# KiCad board raven.kicad_pcb (continued)
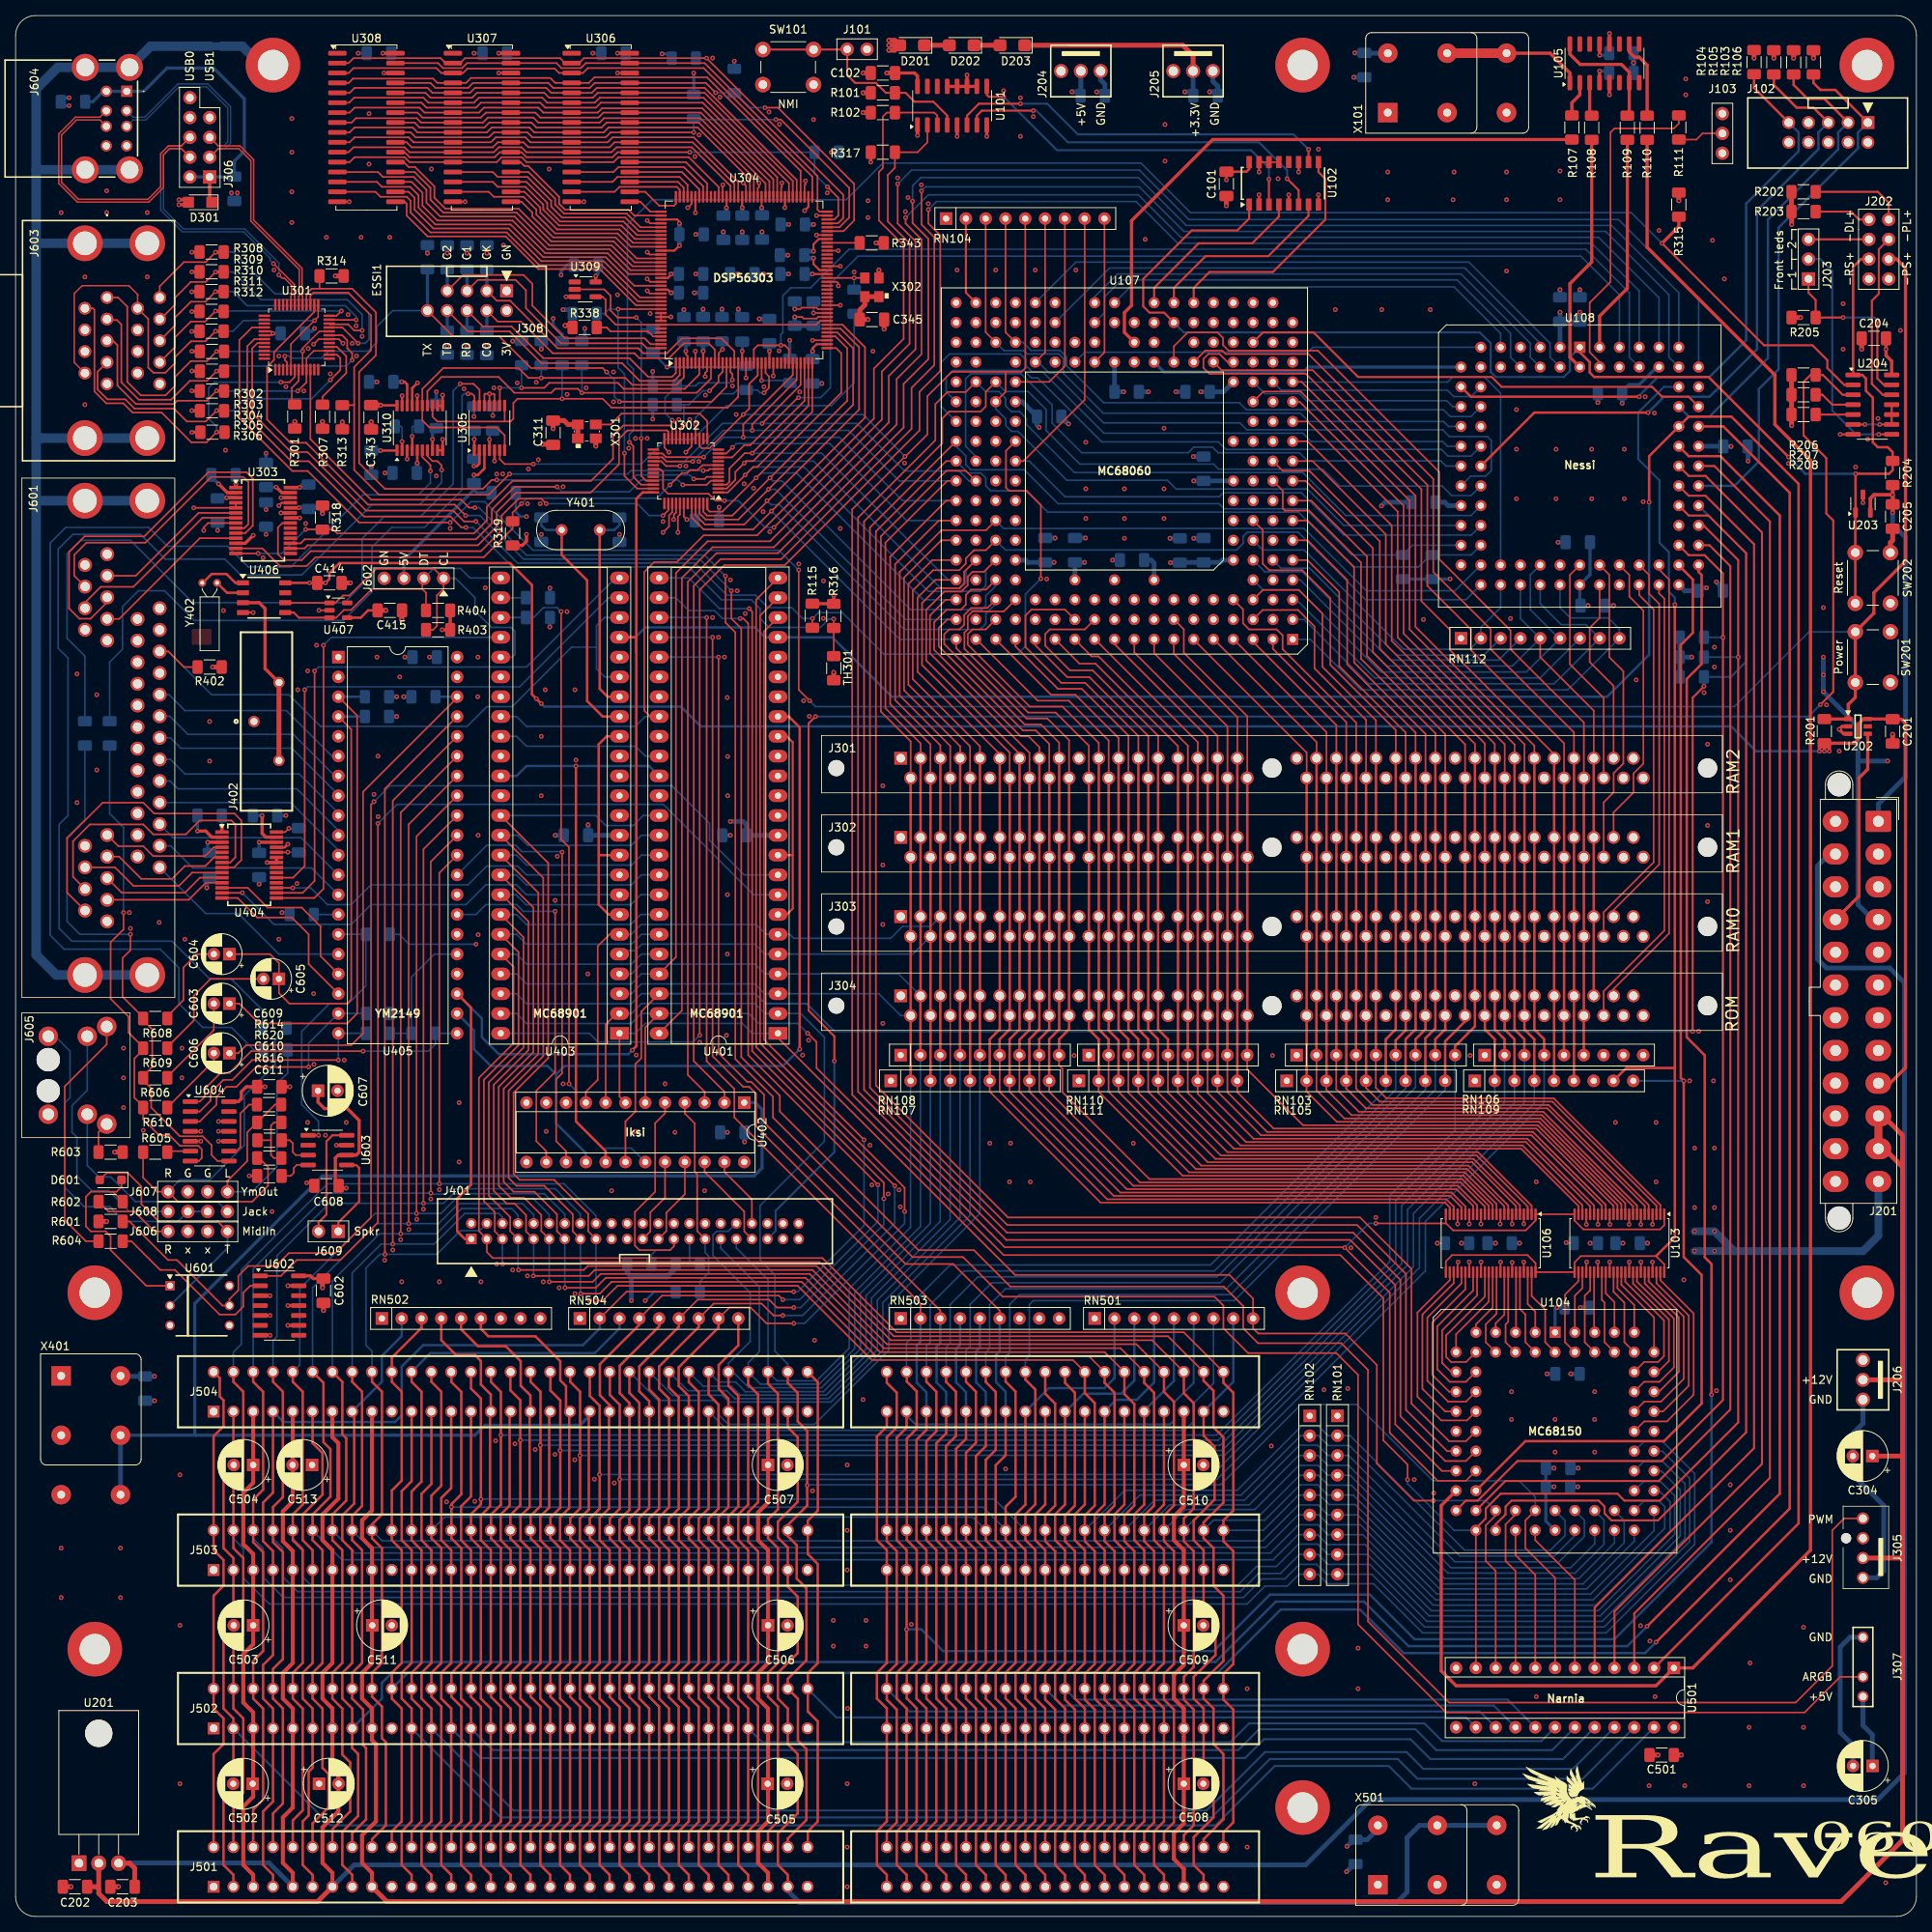
[diagram p0: board, top side]
## Routing (per net, layer and track width the routed paths; a pad name or vN(x,y) marks a point on that pad's centre or on a via; arc(x,y) is an arc through that point) (continued)
PD31: length 396.2
  Top w0.203: v1(54.36,93.98) 54.36,133.86 U405.30
  Top w0.305: J504.33 27.94,68.58 29.21,67.31 29.21,56.45 27.94,55.18 27.94,47.24 29.21,45.97 29.21,36.07 27.94,34.8 J502.33 27.94,26.67 29.21,25.4 29.21,15.86 27.94,14.59 J501.33
  Bottom w0.203: J401.18 74.45,89.89 70.36,93.98 v1(54.36,93.98) 40.01,93.98 28.96,82.93 28.96,73.41 27.94,72.39 J504.33 ; J503.33 27.94,48.49 29.21,47.22 29.21,43.41 32.54,40.08 157.99,40.08 160.27,42.37 163.12,42.37 164.64,43.89 RN102.9 167.08,43.89 168.3,42.67 174.19,42.67 180.49,36.37 204.04,36.37 215.39,47.73 215.39,56.81 211.26,60.93 208.91,60.93 207.64,59.66
PWR_LED: length 213.3
  Top w0.203: v1(78.74,189.1) 79.25,188.6 79.25,184.66 80.24,183.67 U302.34
  Top w0.254: v1(211.2,214.63) 224.28,201.55 230.5,201.55 232.41,199.64 232.41,198.63 234.57,196.47 235.72,196.47
  Top w0.406: v1(211.2,214.63) 213.36,216.79 R315.2
  Bottom w0.203: v1(211.2,214.63) 207.26,218.57 150.72,218.57 144.37,224.92 111.25,224.92 106.55,220.22 81.66,220.22 78.49,217.04 78.49,199.26 79.25,198.5 79.25,190.63 78.74,190.12 v1(78.74,189.1)
PWR_SW: length 318.3
  Top w0.203: U301.40 30.32,203.83 28.7,202.22 28.7,192.21 35.5,185.42 37.46,185.42 44.07,178.82 v1(55.75,178.82) ; v1(100.46,172.72) 100.46,157.35 v1(101.85,155.96)
  Top w0.406: R201.1 235.09,153.6 ; U202.1 235.1,155.47 236,156.37 SW201.2 SW201.2 238.38,167.17 238.38,169.8 242.44,173.86 242.44,211.46 241.3,212.6 J202.6
  Bottom w0.203: SW201.2 230.07,164.79 220.47,155.19 102.62,155.19 v1(101.85,155.96) ; v1(55.75,178.82) 58.42,181.48 60.16,181.48 66.38,175.26 97.92,175.26 v1(100.46,172.72)
R~{W}: length 397
  Top w0.203: 127,198.15 120.09,198.15 116.97,195.02 116.97,190.12 114.13,187.28 v1(114.09,187.28) 107.31,180.5 107.31,105.41 126.87,85.85 170.43,85.85 v1(170.5,85.79) 176.28,80.01 176.28,62.04 182.44,55.88 186.05,55.88 U104.23 ; 127,198.15 129.06,198.15 129.54,198.63 129.53,198.64 RN104.5 ; 127,198.15 127,195.58 U107.N16 ; v1(174.5,88.9) 183.44,88.9 183.48,88.94 ; 183.48,88.94 184.4,88.01 193.73,88.01 194.98,89.26 U106.1 U103.24 199.99,89.26 201.11,88.14 210.95,88.14 211.49,88.68 U103.1 ; 183.48,88.94 U106.24 ; U302.15 87.73,188.62 88.01,188.34 89.03,188.34 v1(93.34,192.66) 94.11,193.42 94.11,196.6 95.2,197.69 U304.22
  Bottom w0.203: v1(93.34,192.66) 108.71,192.66 v1(114.09,187.28) ; U107.N16 125.73,193.4 127.03,192.1 127.03,191.24 127.76,190.5 128.59,190.5 134.86,184.23 147.75,184.23 148.87,183.11 165.71,183.11 170.38,178.44 U108.28 ; v1(174.5,88.9) 173.61,88.9 v1(170.5,85.79)
SIZ0: length 279.4
  Top w0.203: U104.22 182.97,57.15 176.99,63.13 176.99,80.99 171.2,86.78 127.09,86.78 108.08,105.79 108.08,179.45 117.98,189.36 117.98,193.99 119.55,195.55 121.89,195.55 U107.P17
  Bottom w0.203: U107.P17 124.43,195.61 126.14,195.61 127,194.74 127,193.78 127.74,193.04 128.78,193.04 129.67,192.15 129.67,191.39 135.84,185.22 165.13,185.22 170.64,179.71 186.69,179.71 U108.27
SIZ1: length 279.5
  Top w0.203: U107.P16 124.46,195.58 124.46,193.7 123.8,193.04 119.76,193.04 118.87,192.15 118.87,188.98 108.84,178.94 108.84,106.05 127.17,87.72 171.58,87.72 177.65,81.65 177.65,64.16 183.39,58.42 186.05,58.42 U104.21
  Bottom w0.203: U108.25 186.72,182.27 184.23,182.27 183.01,183.49 169.85,183.49 167.69,185.65 154.33,185.65 153.67,186.31 136.53,186.31 132.21,190.63 132.21,193.29 129.9,195.61 126.97,195.61 U107.P16
TEMP1: length 104.1
  Top w0.203: U301.43 30.63,202.33 29.72,201.42 29.72,192.3 35.35,186.67 37.61,186.67 44.7,179.58 55.79,179.58 57.19,178.18 v1(57.79,178.18) ; v1(104.95,166.45) R316.1 TH301.1
  Bottom w0.203: v1(104.95,166.45) 104.34,166.45 103.25,165.35 96.65,165.35 95.5,166.5 95.5,167.77 94.36,168.91 90.55,168.91 86.36,173.1 63.75,173.1 58.67,178.18 v1(57.79,178.18)
TEMP2: length 155.2
  Top w0.203: v1(102.23,166.5) 102.23,166.29 102.21,166.27 R115.2 ; U301.44 31.03,201.83 30.35,201.16 30.35,192.84 35.34,187.85 37.45,187.85 44.96,180.34 56.13,180.34 57.52,178.95 v1(59.05,178.95) ; v1(131.52,171.6) 131.52,181.05 129.69,182.88 127.46,182.88 127.05,183.29 127.05,188.01 U107.L15
  Bottom w0.203: v1(59.05,178.95) 64.4,173.61 87.12,173.61 91.23,169.5 94.92,169.5 96.52,167.89 99.57,167.89 100.97,166.5 v1(102.23,166.5) 103,167.26 106.04,167.26 111.38,161.93 128.52,161.93 129.54,162.94 129.54,169.62 v1(131.52,171.6)
TM0: length 77.7
  Bottom w0.203: U107.N18 119.38,195.58 119.38,197.46 120.24,198.32 129.34,198.32 130.3,197.36 131.13,197.36 139.33,189.15 154.3,189.15 155.27,188.19 182.91,188.19 183.77,187.33 186.69,187.33 U108.21
TM1: length 80.8
  Bottom w0.203: U107.M18 118.75,193.68 118.75,199.36 119.81,200.43 128.88,200.43 129.57,199.75 129.57,198.98 130.4,198.15 131.74,198.15 139.61,190.27 165.13,190.27 166.19,189.2 183.06,189.2 183.67,188.6 U108.20
TM2: length 81.2
  Bottom w0.203: U108.22 183.49,186.06 182.83,186.72 165.73,186.72 164.69,187.76 154.25,187.76 153.54,188.47 151.13,188.47 150.42,187.76 136.77,187.76 132.97,191.56 132.97,193.9 128.98,197.89 122.53,197.89 121.87,197.23 121.87,188.6 123.19,187.27
TT0: length 28
  Bottom w0.203: U108.16 184.35,193.68 183.59,194.44 165.61,194.44 164.69,195.35 160.25,195.35 U107.P03
TT1: length 28
  Bottom w0.203: U107.P02 162.36,195.78 183.67,195.78 184.48,194.97 186.72,194.97 U108.15
USB0:D+: length 71.8
  Top w0.178: U301.31 35.82,207.85 35.75,207.93 35.75,209.36 v1(33.08,212.03) ; J604.B3 10.82,230.45 7.82,230.45 5.89,228.53 5.89,222.45 8.07,220.27 16.98,220.27 18.62,221.91 18.62,226.13 19.61,227.13 21.26,227.13 J306.6
  Bottom w0.178: J306.6 21.26,227.13 19.61,227.13 18.62,226.13 18.62,218.87 21.39,216.1 29.26,216.1 32.64,212.73 32.64,212.47 v1(33.08,212.03)
USB0:D-: length 72.3
  Top w0.178: v1(33.78,210.56) 34.18,210.16 34.48,210.16 35.39,209.25 35.39,207.93 35.32,207.85 U301.32 ; J306.4 21.26,226.77 19.76,226.77 18.97,225.98 18.97,221.8 17.09,219.91 7.93,219.91 5.54,222.3 5.54,228.67 7.67,230.81 10.82,230.81 J604.B2
  Bottom w0.178: v1(33.78,210.56) 33.78,212.1 29.42,216.46 21.54,216.46 18.97,219.02 18.97,225.99 19.76,226.77 21.26,226.77 J306.4
USB1:D+: length 51.6
  Top w0.178: J306.5 25.99,227.13 28.78,227.13 30.53,225.37 30.53,217.62 36.75,211.41 36.75,207.93 36.82,207.85 U301.29
  Bottom w0.178: J604.A3 15.08,230.45 16.71,230.45 20.95,234.7 24.51,234.7 27.23,231.98 27.23,227.63 26.72,227.13 25.99,227.13 J306.5
USB1:D-: length 52.2
  Top w0.178: U301.30 36.32,207.85 36.39,207.93 36.39,211.26 30.18,217.48 30.18,225.22 28.63,226.77 25.99,226.77 J306.3
  Bottom w0.178: J604.A2 15.08,230.81 16.56,230.81 20.83,235.08 24.64,235.08 27.58,232.13 27.58,227.48 26.87,226.77 25.99,226.77 J306.3
VUSB: length 42.6
  Top w0.406: J306.1 24.9,220.17
  Bottom w0.406: C302.1 28.07,225.17 29.34,226.44 29.34,233.17 25.4,237.11 19.43,237.11 16.45,234.13 J604.A1 J604.B1 ; 11.25,234.13 9.91,232.79 C601.1 ; J306.2 J306.1 28.03,223.14
YM:CHA: length 63
  Top w0.203: U405.3 43.82,154.05 43.82,115.82 42.54,114.55 31.24,114.55 28.7,117.09 C603.1
  Bottom w0.305: U405.3 R613.1
YM:CHB: length 61.1
  Top w0.203: U405.4 43.05,152.27 43.05,117.6 42.54,117.09 35.13,117.09 33.78,118.44 C605.1 33.78,122.3 32.64,123.44 C604.1
  Bottom w0.305: U405.4 R612.1
YM:CHC: length 69
  Top w0.203: C606.1 28.58,110.74 29.59,111.76 43.05,111.76 44.58,113.28 44.58,144.27 56.64,156.34
  Bottom w0.305: U405.38 R611.1
YM:IOA0: length 39.3
  Top w0.203: v1(44.58,111) 30.23,111 27.43,108.2 26.29,108.2 24.26,106.17 24.26,105.16 23.62,104.52 U604.1
  Bottom w0.203: U405.21 R619.2 53.87,111.91 52.96,111 v1(44.58,111)
YM:IOA1: length 29.3
  Top w0.203: v1(41.4,109.86) 30.35,109.86 27.81,107.32 26.67,107.32 25.02,105.66 25.02,104.65 23.62,103.25 U604.2
  Bottom w0.203: v1(41.4,109.86) U405.20 R618.2
YM:IOA2: length 30.6
  Top w0.203: v1(37.59,108.97) 30.86,108.97 28.32,106.43 27.06,106.43 25.78,105.14 25.78,104.14 23.62,101.98 U604.3
  Bottom w0.203: R617.2 U405.19 37.59,112.01 v1(37.59,108.97)
YM:IOA6: length 36.4
  Top w0.203: U603.1 v1(38.86,100.2)
  Bottom w0.203: v1(38.86,100.2) 38.86,101.98 36.7,104.14 36.7,113.54 40.26,117.09 42.67,117.09 44.93,119.35 R621.1 U405.15
~{ATF_OE1}: length 42
  Top w0.203: R111.1 213.36,230 212.72,229.36 205.1,229.36 204.6,228.85 204.6,209.68 201.93,207.01 201.93,200.66 203.2,199.39 U108.84
~{AVEC}: length 65.1
  Bottom w0.203: U107.T11 138.43,207.77 141.35,210.69 185.42,210.69 194.31,201.8 194.31,200.03 U108.6
~{BB}: length 11.3
  Top w0.254: RN104.2 121.91,208.3 U107.T17
~{BGR}: length 18.9
  Top w0.203: U107.Q11 139.7,200.66 139.69,200.68 RN104.9
~{BS0}: length 122.5
  Top w0.203: U107.Q04 155.47,199.39 154.43,200.43 153.01,200.43 152.37,199.8 152.37,198.65 153.14,197.89 165.52,197.89 180.34,183.07 180.34,168.72 184.02,165.04 184.02,162.43 197.37,149.09
  Top w0.305: 197.37,107.2 J304.63 J301.63
~{BS1}: length 114.4
  Top w0.203: U107.Q05 154.71,198.35 166.4,198.35 181.1,183.64 181.1,170.69 186.69,165.1 186.69,162.43 198.64,150.48 J301.64
  Top w0.305: J304.64 J301.64 ; RN106.5 198.63,115.55
~{BS2}: length 122.8
  Top w0.203: U107.Q06 152.6,200.86 154.79,200.86 155.22,200.43 165.84,200.43 181.86,184.4 181.86,172.47 189.23,165.1 189.23,162.56 199.91,151.88 J301.65
  Top w0.305: 199.91,107.2 J304.65 J301.65
~{BS3}: length 127.2
  Top w0.203: J301.66 201.18,153.15 191.77,162.56 191.77,164.97 182.63,174.12 182.63,185.29 167.06,200.86 155.6,200.86 154.89,201.57 154.89,202.49 154.18,203.2 150.37,203.2 148.59,201.42 U107.Q07
  Top w0.305: J301.66 J304.66 ; RN106.6 201.17,115.55
~{CLA}: length 100
  Top w0.203: U107.K15 129.28,186.69 137.16,194.57 137.14,194.59 RN104.8
  Bottom w0.203: U108.29 186.72,177.19 170.38,177.19 164.95,182.63 154.92,182.63 154.41,182.12 134.62,182.12 130.05,186.69 U107.K15
~{CLKEN}: length 40.2
  Bottom w0.406: U108.12 165.86,198.76 165.23,198.12 147.32,198.12 U107.Q08
~{DSP_AA0}: length 65.8
  Top w0.203: v1(104.14,221.87) 105.54,220.47 105.54,218.19 105.04,217.69 U304.70 ; v1(86.49,226.31) U306.22 77.21,226.31 76.58,225.68 65.53,225.68 64.9,226.31 62.1,226.31 61.46,225.68 50.54,225.68 49.9,226.31 U308.22
  Bottom w0.203: v1(86.49,226.31) 86.61,226.31 86.62,226.32 100.33,226.32 100.33,226.31 102.49,226.31 102.49,223.52 v1(104.14,221.87)
~{DSP_CS}: length 138.3
  Top w0.203: U304.30 99.2,201.03 98.68,201.55 v1(98.17,201.55) 95.21,201.55 94.7,201.04 U304.21
  Bottom w0.203: U108.80 207.01,200.03 207.01,208.28 201.42,213.87 106.93,213.87 101.98,208.92 99.44,208.92 98.43,207.9 98.43,203.2 98.17,202.95 v1(98.17,201.55)
~{DSP_HREQ}: length 17.3
  Top w0.203: v1(96.01,195.45) 96.65,196.09 96.65,197.55 96.2,197.99 U304.24 ; v1(87.23,191.39) U302.16
  Bottom w0.203: v1(87.23,191.39) 87.23,192.26 90.3,195.33 92.07,195.33 92.56,195.81 R320.2 95.15,195.81 95.5,195.45 v1(96.01,195.45)
~{DSP_IRQD}: length 34.6
  Top w0.203: v1(77.28,206.19) 78.91,206.19 78.92,206.19 U304.134 ; U302.35 79.72,183.17 78.1,184.79 v1(78.1,187.71)
  Bottom w0.203: v1(78.1,187.71) 78.1,197.87 77.28,198.69 v1(77.28,206.19) 76.14,206.19 75.56,205.61 R337.2
~{DSP_RD}: length 72
  Top w0.203: U304.68 105.69,216.69 106.93,217.93 106.93,221.74 98.17,230.51 v1(97.54,230.51) ; v1(87,228.85) 76.33,228.85 75.69,228.22 66.29,228.22 65.66,228.85 61.34,228.85 60.71,228.22 51.31,228.22 50.67,228.85 48.6,228.85
  Bottom w0.203: v1(87,228.85) R342.2 87.1,230.51 v1(97.54,230.51)
~{DSP_RESET}: length 32.5
  Top w0.203: U309.4 75.31,207.77 75.69,207.39 75.69,205.49 76.99,204.19 U304.138 102.71,204.19 103.21,204.69 U304.44
~{DSP_TRIG2}: length 17.7
  Top w0.203: U302.21 84.73,191.43 v1(84.23,191.93) ; v1(91.95,197.1) 91.95,197.87 91.7,198.11 U304.15
  Bottom w0.203: v1(91.95,197.1) 91.57,196.72 87.63,196.72 87.25,196.34 R336.2 83.31,194.82 83.31,192.85 v1(84.23,191.93)
~{DSP_TRIG}: length 13.7
  Top w0.203: U302.20 85.23,190.89 v1(85.72,191.39) ; v1(89.03,195.71) 90.17,196.85 90.17,197.61 90.7,198.14 U304.13
  Bottom w0.203: 85.72,193.93 R335.2 ; 85.72,193.93 86.36,193.93 88.14,195.71 v1(89.03,195.71) ; 85.72,193.93 v1(85.72,191.39)
~{DSP_WR}: length 74.4
  Top w0.203: 48.6,235.2 53.21,235.2 53.85,234.57 58.04,234.57 58.67,235.2 68.33,235.2 68.96,234.57 73.66,234.57 74.29,235.2 88.54,235.2 v1(89.8,233.94) ; v1(96.14,232.03) 97.79,232.03 107.57,222.25 107.57,217.55 106.2,216.19 U304.67
  Bottom w0.203: v1(96.14,232.03) 94.23,232.03 92.35,233.91 R341.2 ; v1(89.8,233.94) 92.17,233.94 R341.2 ; 92.21,233.9 R341.2 ; R341.2 92.48,233.91
~{DTACK}: length 254.2
  Top w0.203: 82.55,118.36 80.26,116.08 80.26,110.11 79.5,109.35 79.5,103.25 78.23,101.98 U402.18
  Top w0.254: v1(216.59,157.81) 216.59,157.79 215.14,156.34 v1(215.14,113.54)
  Bottom w0.203: U401.46 80.27,118.36 78.99,117.08 65.54,117.08 64.26,118.36 U403.46
  Bottom w0.254: v1(216.59,157.81) R114.2 220.04,159 222,160.96 222,174.88 U108.60 ; U401.46 94.89,118.36 96.16,117.09 101.47,117.09 105.03,113.54 v1(215.14,113.54)
~{HDD0_LED}: length 253.3
  Top w0.254: v1(231.52,155.45) 233.17,157.1 233.17,179.07 232.28,179.96 232.28,187.07 229.36,189.99 229.36,196.85 230.25,197.74 R206.1 231.84,197.74 234.38,195.2 235.72,195.2 ; v1(105.03,109.73) 105.03,112.9 101.73,116.21 101.73,153.04 v1(102.62,153.92)
  Bottom w0.254: v1(102.62,153.92) 230,153.92 v1(231.52,155.45) ; v1(105.03,109.73) 105.03,98.04 97.5,90.51 97.5,87.94 J401.39
~{HDD1_LED}: length 5.3
  Top w0.254: R207.1 231.78,195.2 233.04,193.93 235.72,193.93
~{HDD2_LED}: length 4.8
  Top w0.254: R208.1 235.72,192.66
~{IACK}: length 261
  Top w0.203: v1(113.16,222.25) 113.16,217.17 115.44,214.88 115.44,201.04 112.01,197.61 112.01,191.64 96.77,176.4 88.77,176.4 84.71,172.34 84.71,123.06 U401.45
  Bottom w0.203: v1(113.16,222.25) 114.94,224.03 144.14,224.03 150.5,217.68 205.61,217.68 215.9,207.39 U108.74 ; U401.45 80.27,120.9 78.99,119.62 65.54,119.62 64.26,120.9 U403.45
~{IDECS}: length 248.6
  Top w0.203: v1(115.06,220.03) 115.06,217.23 117.09,215.2 117.09,199.77 113.92,196.6 113.92,191.01 97.79,174.88 89.92,174.88 86.23,171.2 86.23,107.95 88.39,105.79 U402.3
  Bottom w0.203: U108.75 213.36,208.28 204.72,216.92 150.18,216.92 144.03,223.06 116.12,223.06 115.06,222 v1(115.06,220.03)
~{IPL0}: length 23.2
  Top w0.254: U107.T08 146.05,208.92 151.76,214.63 158.62,214.63 162.05,218.06 U102.4
~{IPL1}: length 24.4
  Top w0.254: U102.7 165.86,218.15 160.69,212.98 152.65,212.98 148.59,208.92 U107.T07
~{IPL2}: length 30.2
  Top w0.254: U102.9 167.13,223.77 168.02,222.89 168.02,217.68 161.29,210.95 153.16,210.95 151.13,208.92 U107.T06
~{IPLREQ0}: length 45.9
  Top w0.254: U101.9 124.59,233.68 124.84,233.43 v1(126.75,233.43) ; U102.3 v1(160.78,222.86)
  Bottom w0.254: v1(126.75,233.43) 133.6,226.57 158.5,226.57 160.78,224.28 v1(160.78,222.86)
~{IPLREQ1}: length 49.4
  Top w0.254: U102.6 164.59,221.44 v1(163.12,222.91) ; 123.32,229.81 123.32,231.01 123.95,231.65 v1(130.56,231.65)
  Bottom w0.254: v1(130.56,231.65) 130.94,231.65 135,227.58 159.51,227.58 163.12,223.98 v1(163.12,222.91)
~{IPLREQ2}: length 49.7
  Top w0.254: U101.6 122.05,231.01 123.57,232.54 v1(128.91,232.54) ; U102.10 v1(165.86,226.67)
  Bottom w0.254: v1(165.86,226.67) 163.93,228.6 136.27,228.6 132.33,232.54 v1(128.91,232.54)
~{IRQ_HDD}: length 85.7
  Top w0.203: v1(69.98,167.39) 69.98,138.18 70.99,137.16 v1(70.99,106.81)
  Bottom w0.203: U403.27 R401.2 66.45,166.62 67.72,167.89 69.47,167.89 v1(69.98,167.39) ; v1(70.99,106.81) 71.88,105.92 71.88,101.98 75.31,98.55 78.99,98.55 U402.19
~{IRQ_MFP}: length 129.4
  Top w0.203: U401.32 81.41,153.92 80.65,154.69 80.65,172.47 81.91,173.74 84.84,173.74 88.26,177.17 95.12,177.17 110.11,192.15 110.11,198.56 113.92,202.37 113.92,214.38 110.74,217.56 110.74,223.77 111.25,224.28 111.25,230.89 111.76,231.39 R102.2 117.86,231.39 118.24,231.01 U101.3
  Bottom w0.203: U401.32 80.77,153.92 79.5,152.65 65.53,152.65 64.26,153.92 U403.32
~{IRQ_UART}: length 83.6
  Top w0.203: v1(97.28,178.18) 111.12,192.02 111.12,198.18 114.68,201.74 114.68,214.63 111.89,217.42 111.89,223.39 112.8,224.31 R317.2 115.7,226.31 116.97,227.58 U101.2 ; v1(90.93,181.61) 89.79,181.61 88.9,182.5 83.69,182.5 83.06,183.13 83.06,185.29 82.68,185.67 U302.30
  Bottom w0.203: v1(97.28,178.18) 96.14,178.18 92.71,181.61 v1(90.93,181.61)
~{ISA8}: length 165.4
  Top w0.254: U108.63 214.63,182.25 216.79,182.25 223.01,176.02 223.01,60.07 202.56,39.62 U501.5
~{ISACS}: length 167.7
  Top w0.254: U501.4 205.1,39.12 224.03,58.04 224.03,177.55 216.79,184.79 214.63,184.79 U108.65
~{ISAIO}: length 166.4
  Top w0.254: U108.64 217.93,186.06 225.04,178.94 225.04,56.26 207.64,38.86 U501.3
~{MFP1CS}: length 253.8
  Top w0.203: v1(87.76,113.03) 87.76,170.18 90.93,173.36 98.68,173.36 115.95,190.63 115.95,195.58 118.62,198.25 118.62,215.65 117.09,217.17 v1(117.09,218.95)
  Bottom w0.203: v1(117.09,218.95) 118.14,219.99 143.73,219.99 149.09,214.63 202.18,214.63 208.28,208.53 U108.79 ; U403.48 73.6,113.28 74.7,112.18 86.91,112.18 v1(87.76,113.03)
~{MFP2CS}: length 233.7
  Top w0.203: v1(114.17,217.93) 114.17,217.17 116.2,215.14 116.2,200.41 113.03,197.23 113.03,191.39 97.28,175.64 89.41,175.64 85.47,171.7 85.47,116.2 U401.48
  Bottom w0.203: U108.77 210.82,207.65 203.07,215.39 149.48,215.39 144.02,220.85 117.09,220.85 v1(114.17,217.93)
~{RB0RD}: length 29.6
  Top w0.203: U108.44 199.39,172.09 199.39,160.63 203.72,156.3 J301.68
~{RB0WR}: length 24
  Top w0.203: U108.45 203.2,166.57 201.93,165.3 201.93,160.92 204.99,157.86 J301.69
~{RB1RD}: length 39.8
  Top w0.203: U108.46 204.44,172.11 204.44,161.54 206.25,159.73 206.25,147.9 205,146.66 205,144.2 203.72,142.91 J302.68
~{RB1WR}: length 37.8
  Top w0.203: U108.48 207.01,172.09 207.01,169.32 208.81,167.51 208.81,147.88 207.54,146.61 207.54,144.17 204.99,141.62 J302.69
~{RB2RD}: length 48.5
  Top w0.203: U108.49 208.28,169.49 210.13,167.64 210.13,135.23 203.72,128.82 J303.68
~{RB2WR}: length 48.6
  Top w0.203: J303.69 204.99,129.1 210.85,134.95 210.85,168.38 209.55,169.67 209.55,172.09 U108.50
~{RB3RD}: length 58.8
  Top w0.203: U108.51 210.82,169.72 211.51,169.04 211.51,126.47 203.72,118.68 J304.68
~{RB3WR}: length 58.2
  Top w0.203: 210.82,172.8 212.12,171.5 212.12,126.11 204.99,118.99 J304.69
~{RESET}: length 487.4
  Top w0.305: U302.36 80.44,182.67 79.63,181.86 79.63,162.18 ; J401.1 57.63,86.9 56.64,87.88 56.64,92.08 58.42,93.85 58.42,116.59 U405.23 ; 79.63,162.18 79.63,164.08 U403.21 ; 79.63,162.18 79.63,111.63 v1(79.12,111.13) ; v1(209.55,181.43) 209.55,187.33 U108.69 214.63,192.41 220.09,192.41 228.73,183.77 228.73,50.42 U501.2
  Bottom w0.305: v1(79.12,111.13) 78.61,110.62 61.98,110.62 59.82,112.78 59.82,115.19 U405.23 ; U403.21 79.5,164.08 80.77,165.35 94.87,165.35 96.14,164.08 U401.21 104.78,164.08 112.39,156.46 204.17,156.46 209.55,161.85 v1(209.55,181.43)
~{RSTI}: length 183.3
  Top w0.254: U107.S07 147.32,205.74 145.46,205.74 144.65,206.55 144.65,210.06 150.88,216.28 156.72,216.28 158.24,217.81 U102.1
  Top w0.305: 236.03,184.92 U203.1 ; v1(227.46,187.2) 217.17,197.49 202.5,197.49 201.93,198.06 201.93,199.39 200.66,200.66 U108.1 ; 236,180.06 SW202.1 SW202.1 ; J202.5 236.73,212.6 235.72,211.59 235.72,197.74 236.91,197.74 237.36,197.28 237.36,195.71 238.25,194.82 238.25,189.1 238.89,188.47 240.16,188.47 240.79,187.83 R204.2 240.79,185.53 240.33,185.06 v1(236.04,185.06)
  Bottom w0.254: U107.S07 149.86,203.2 187.83,203.2 189.23,201.8 189.23,198.12 189.86,197.49 198.63,197.49 199.39,198.25
  Bottom w0.305: U108.1 199.39,200.03 199.39,198.25 ; v1(236.04,185.06) 235.89,185.06 235.89,185.06 229.59,185.06 v1(227.46,187.2)
~{RSTO}: length 61.6
  Top w0.254: U107.R03 160.02,203.2 166.5,203.2 172.21,197.49 189.36,197.49 190.63,196.22 209.93,196.22 211.2,194.95 214.63,194.95 U108.70
~{SAS}: length 89.8
  Top w0.203: U107.Q14 132.08,200.66 132.06,200.68 RN104.6
  Bottom w0.203: U108.24 186.66,184.76 188.59,184.76 189.31,185.47 189.31,189.33 188.8,189.84 183.95,189.84 183.08,190.7 157.94,190.7 157.05,191.59 139.56,191.59 133.16,197.99 132.59,197.99 131.19,199.39
~{SNOOP}: length 26.1
  Top w0.203: RN104.7 134.6,198.87 132.59,196.85 U107.P15
~{TA}: length 76.1
  Bottom w0.203: U108.4 196.85,200.03 196.85,201.8 186.44,212.22 136.02,212.22 U107.T14
~{TBI}: length 64.5
  Bottom w0.203: U108.8 191.77,200.03 191.77,203.07 184.91,209.93 141.86,209.93 139.7,207.77 139.7,205.74 U107.S11
~{TCI}: length 54.6
  Bottom w0.203: U108.9 190.5,203.07 184.53,209.04 143,209.04 U107.T10
~{TEA}: length 69.1
  Bottom w0.203: U107.S13 140.33,211.46 185.93,211.46 195.58,201.8
~{TIP}: length 81.2
  Top w0.203: RN104.4 126.98,203.22 U107.R15
  Bottom w0.203: U108.17 186.69,192.41 184.05,192.41 183.18,193.27 157.89,193.27 156.97,194.18 139.57,194.18 134.82,198.93 134.82,200.05 133.99,200.89 130.25,200.89 129.21,201.93 U107.R15
~{TRA}: length 52.9
  Bottom w0.203: U107.Q12 137.16,200.66 165.8,200.66 166.43,201.3 U108.11
~{TS}: length 81.7
  Top w0.203: RN104.3 124.44,203.22 U107.R16
  Bottom w0.203: U108.18 183.82,191.14 183.18,191.77 165.89,191.77 164.82,192.84 139.52,192.84 134.39,197.97 134.39,199.87 133.83,200.43 129.77,200.43 129.34,200.86 126.8,200.86 U107.R16
~{UART_CS}: length 142.9
  Top w0.203: U302.10 91.92,187.17 93.47,188.72 94.23,188.72 100.35,194.83 v1(100.43,194.83)
  Bottom w0.203: U108.81 205.74,208.03 200.79,212.98 108.08,212.98 104.52,209.42 104.52,196.09 103.27,194.83 v1(100.43,194.83)
~{YMCS}: length 248.3
  Top w0.203: U402.2 90.93,105.79 87,109.73 87,170.69 90.42,174.12 98.22,174.12 114.94,190.83 114.94,196.09 117.86,199.01 117.86,215.39 116.2,217.04 v1(116.2,221.36)
  Bottom w0.203: U108.76 212.09,200.03 212.09,208.03 203.96,216.15 149.86,216.15 144.14,221.87 116.71,221.87 v1(116.2,221.36)
Net-(C603-Pad2): length 11.8
  Top w0.203: 19.46,107.72 25.43,113.7 C603.2
Net-(C604-Pad2): length 11.7
  Top w0.203: C604.2 23.24,123.44 21.53,121.73 21.53,117.54 19.46,115.47
Net-(C605-Pad2): length 17.8
  Top w0.203: C605.2 25.02,120.27 22.86,118.11 22.86,114.94 19.46,111.53
Net-(C606-Pad2): length 9.5
  Top w0.203: C606.2 25.43,109.76 19.46,103.79 R610.2
Net-(C610-Pad2): length 8.5
  Top w0.203: 32.77,99.57 32.77,97.66 33.15,97.28 R616.1 ; 32.77,99.57 C610.2 ; 32.77,99.57 32.77,101.47 33.15,101.85 R620.1
Net-(D201-K): length 3.2
  Top w0.61: D201.1 D202.2
Net-(D202-K): length 3.3
  Top w0.61: D202.1 D203.2
Net-(D601-K): length 26.6
  Top w0.203: 12.47,92.96 R602.2 ; 12.47,92.96 9.65,92.96 9.02,92.33 9.02,88.52 9.65,87.88 11.56,87.88 12.19,87.25 12.19,85.47 16.76,80.9 U601.1 ; 12.47,92.96 12.95,92.96 13.59,93.6 D601.1
Net-(J103-Pin_2): length 5.9
  Top w0.203: R111.2 215.62,227.94 216.41,228.73 218.95,228.73
Net-(J201-PS_ON#): length 25.5
  Top w0.406: U202.4 237.6,147.17 236.47,146.05 236.47,130.89 J201.16
Net-(J203-Pin_1): length 23
  Top w0.254: v1(234.44,205.11) R205.1 230.91,207.37 230,208.28 J203.1 ; U204.13 239.65,196.47 238.83,197.29 v1(238.83,204.72)
  Bottom w0.254: v1(234.44,205.11) 238.45,205.11 v1(238.83,204.72)
Net-(J203-Pin_2): length 30.5
  Top w0.254: U204.8 v1(239.01,190.12)
  Bottom w0.254: J203.2 231.52,212.6 233.04,211.07 233.04,193.17 236.09,190.12 v1(239.01,190.12)
Net-(J401-/DMACK): length 4.4
  Bottom w0.203: 87.86,83.69 86.87,83.69 86.45,84.11 J401.29
Net-(J605-RB): length 32.6
  Bottom w0.203: J605.2B 9.19,105.97 7.24,104.01 7.24,100.58 7.87,99.95 7.87,95 9.78,93.09 11.94,93.09 14.6,90.42 J608.1
Net-(J605-SB): length 41.1
  Bottom w0.203: 5.08,112.9 6.98,111 6.98,105.03 6.35,104.39 6.35,93.47 8.76,91.06 12.06,91.06 13.97,89.15 20.83,89.15 J608.2
  Bottom w0.254: J608.2 J608.3
Net-(J605-TB): length 27
  Bottom w0.203: J608.4 25.91,91.69 15.37,91.69 12.19,94.87 10.67,94.87 9.19,96.35 J605.5B
Net-(R604-Pad1): length 23.9
  Top w0.203: 31.31,80.9 30.1,80.9 29.21,80.01 29.21,78.23 28.19,77.22 26.16,77.22 20.45,82.93 18.54,82.93 14.86,86.61 13.87,86.61
Net-(U105-CLKA1): length 4.6
  Top w0.406: U105.2 200.65,233.67 199.64,232.66 R107.2
Net-(U204-Pad10): length 7.5
  Top w0.254: U204.11 U204.10 U204.9 v1(239.14,191.39) ; v1(237.24,191.39) 235.72,191.39
  Bottom w0.254: v1(239.14,191.39) v1(237.24,191.39)
Net-(U303-C1+): length 2.5
  Top w0.406: U303.28 36.43,183.3 v1(36.45,183.31)
  Bottom w0.457: v1(36.45,183.31) 36.82,183.68 C307.2
Net-(U303-C1-): length 2.2
  Top w0.406: v1(36.36,180.72) 36.34,180.7 U303.24
  Bottom w0.457: v1(36.36,180.72) 37.43,180.72
Net-(U303-C2+): length 1.6
  Top w0.406: U303.1 28.25,183.79 v1(28.24,183.79)
  Bottom w0.457: v1(28.24,183.79) 28.23,183.81 C309.2
Net-(U303-C2-): length 3.8
  Top w0.406: U303.2 27.16,182.65 v1(26.03,183.77)
  Bottom w0.406: v1(26.03,183.77) 25.27,184.53
Net-(U303-V+): length 3.4
  Top w0.406: U303.27 34.14,182.65 v1(33.44,183.35)
  Bottom w0.406: v1(33.44,183.35) C308.1
Net-(U303-V-): length 2.3
  Top w0.406: U303.3 27.08,182 v1(27.08,181.99)
  Bottom w0.457: v1(27.08,181.99) 26,181.99
Net-(U304-*BB): length 4.2
  Top w0.203: U304.64 108.27,214.69
Net-(U304-*HACK): length 5.5
  Top w0.203: v1(95.7,197.03) U304.23
  Bottom w0.203: v1(95.7,197.03) 99,197.03
Net-(U304-TCK): length 8.7
  Top w0.203: R338.2 75.82,203.84 76.33,203.33 81.15,203.33 81.79,202.69 U304.141
Net-(U305-VREF): length 2.5
  Top w0.305: v1(58.84,189.48) U305.1
  Bottom w0.305: v1(58.84,189.48) 58.84,190.55
Net-(U310-CAPM): length 3.9
  Top w0.305: U310.4 v1(50.88,189.87)
  Bottom w0.203: v1(50.88,189.87) 50.88,191.06 50.97,191.14 C344.1
Net-(U310-CAPP): length 3.9
  Top w0.305: v1(49.57,189.19) 49.58,189.18 U310.2
  Bottom w0.203: C344.2 49.44,191.14 49.57,191.01 v1(49.57,189.19)
Net-(U310-LDOO): length 4.6
  Top w0.305: v1(49.53,196.86) 49.9,196.86 50.23,196.53 U310.18
  Bottom w0.61: v1(49.53,196.86) C347.1
Net-(U310-VNEG): length 2.9
  Top w0.305: v1(51.53,186.44) U310.5
  Bottom w0.61: v1(51.53,186.44) 51.53,185.23
Net-(U401-RC): length 27.7
  Top w0.254: 99.69,136.14 U401.10 ; U401.16 98.93,151.38 99.69,150.62 99.69,129.29 98.93,128.52 U401.7
Net-(U403-I4): length 3.2
  Bottom w0.203: U403.26 R405.2
Net-(U403-RC): length 29.5
  Top w0.305: U403.10 74.8,136.14 ; U403.7 76.07,128.52 74.8,129.79 74.8,150.37 75.82,151.38 U403.16
Net-(U403-X1): length 32.1
  Top w0.305: U403.17 75.31,153.92 73.32,155.92 73.32,171.39 70.05,174.65 Y401.2
  Bottom w0.305: C401.2 67.44,178.44 68.02,177.85 Y401.2
Net-(U403-X2): length 27.1
  Top w0.305: Y401.1 74.93,157.48 75.95,156.46 U403.18
  Bottom w0.305: Y401.1 76.82,177.85 77.47,178.5 C402.2
Net-(U404-C1+): length 3
  Top w0.203: v1(35.05,139.57) 34.58,139.1 U404.28
  Bottom w0.203: v1(35.05,139.57) 36.28,139.57
Net-(U404-C1-): length 2.8
  Top w0.203: U404.24 34.9,136.5 v1(34.92,136.53)
  Bottom w0.203: v1(34.92,136.53) 36.28,136.53
Net-(U404-C2+): length 2.1
  Top w0.406: v1(26.45,139.87) 26.45,139.79 26.47,139.77 U404.1
  Bottom w0.406: v1(26.45,139.87) C411.2
Net-(U404-C2-): length 5.5
  Top w0.406: v1(23.33,139.23) 24.38,139.23 25.17,138.45 26.47,138.45
  Bottom w0.406: v1(23.33,139.23) C411.1
Net-(U404-V+): length 5.5
  Top w0.406: 33.47,138.45 32.11,138.45 31.62,138.94 v1(31.62,141.22)
  Bottom w0.406: v1(31.62,141.22) C410.1
Net-(U404-V-): length 2.9
  Top w0.406: U404.3 24.64,137.8 v1(24.64,137.8)
  Bottom w0.406: v1(24.64,137.8) 24.64,136.69
Net-(U405-IOA7): length 3.1
  Bottom w0.203: U405.14 R409.1
Net-(U406-VBAT): length 23.4
  Top w0.406: J402.3 32,160.07 32,167.77 31.24,168.53 U406.3
  Top w0.61: J402.2 J402.3
Net-(U406-X1): length 6.1
  Top w0.305: U406.1 28.19,171.07 27.05,172.21 25.15,172.21 24,171.07
Net-(U406-X2): length 3.8
  Top w0.305: Y402.2 27.11,169.8 U406.2
Net-(U603-IN+): length 4.8
  Top w0.203: C610.1 35.18,99.57 35.56,99.19 35.56,98.04 35.94,97.66 U603.3
Net-(U603-IN-): length 4.4
  Top w0.203: C611.1 35.31,95 35.69,95.38 35.69,96.01 36.07,96.39 U603.4

## Copper pours and planes (outline as drawn; the poured copper is in the pictures)
+3.3V on In2.Cu: 29.46,173.86 29.46,230.12 38.86,230.12 38.86,239.65 92.96,239.65 92.96,232.92 106.55,232.92 106.55,226.31 144.27,226.31 144.27,242.57 240.66,242.57 242.7,241.05 242.7,223.77 220.47,223.77 220.47,210.06 194.44,210.06 194.44,200.03 207.26,200.03 207.26,202.95 220.47,202.95 220.47,169.16 207.14,169.16 207.14,172.34 196.98,172.34 196.98,166.62 209.3,166.62 209.3,154.05 237.74,154.05 237.74,144.27 240.54,144.27 240.54,129.92 220.47,129.92 220.47,80.26 172.21,80.26 172.21,85.34 102.36,85.34 102.36,173.86
+5V on In2.Cu: 242.7,223.77 242.7,154.05 209.3,154.05 209.3,166.62 196.98,166.62 196.98,172.34 207.14,172.34 207.14,169.16 220.47,169.16 220.47,202.95 207.26,202.95 207.26,200.03 194.44,200.03 194.44,210.06 220.47,210.06 220.47,223.77
+5V on In2.Cu: 144.27,242.57 3.18,242.57 1.27,240.54 1.27,2.92 2.67,1.52 121.98,1.59 241.17,1.65 242.7,3.05 242.7,155.19 238.25,155.19 238.25,144.78 241.05,144.78 241.05,129.67 220.47,129.67 220.47,80.26 172.21,80.26 172.21,85.34 102.36,85.34 102.36,173.86 29.46,173.86 29.46,230.12 38.86,230.12 38.86,239.65 92.96,239.65 92.96,232.92 106.55,232.92 106.55,226.31 144.27,226.31
GND on Top: 22.61,165.15 25.15,165.15 25.15,163.12 22.61,163.12
GND on In1.Cu, In3.Cu, In4.Cu: -0.51,244.09 244.6,244.09 244.6,-1.02 -0.51,-1.02

## Text on the board
B.Silkscreen: 2.7nF for DSP  90mhz (MF:4) / 4.7nF for DSP 112mhz (MF:5) | Revision.A2b | www.github.com/agranlund/raven | Raven.68060
F.Silkscreen: YmOut | Jack | MidiIn | Spkr | R | G | x | L | T | NMI | +12V | GND | ARGB | +5V | PWM | C2 | C1 | CK | GN | +3.3V | Front leds | 2 | 1 | -DL+ | -RS+ | -PL+ | -PS+ | USB0 | USB1 | ESSI1 | Reset | Power | 5V | DT | TX | CL | TD | RD | C0 | 3V | ROM | RAM2 | RAM1 | RAM0 | 060 | Raven
